# Altium PCB U_I_Meter_TOP.PcbDoc
Units mm, origin at the board's own origin, x right, y up, seen from the top; angles counter-clockwise.
Board outline 67 x 84 mm, 2 copper layers (Top Layer, Bottom Layer), stack 1.071 mm thick; 129 components, 52 nets, 303 pads, 62 vias.
Unrouted connection lines stored in the file: 2.
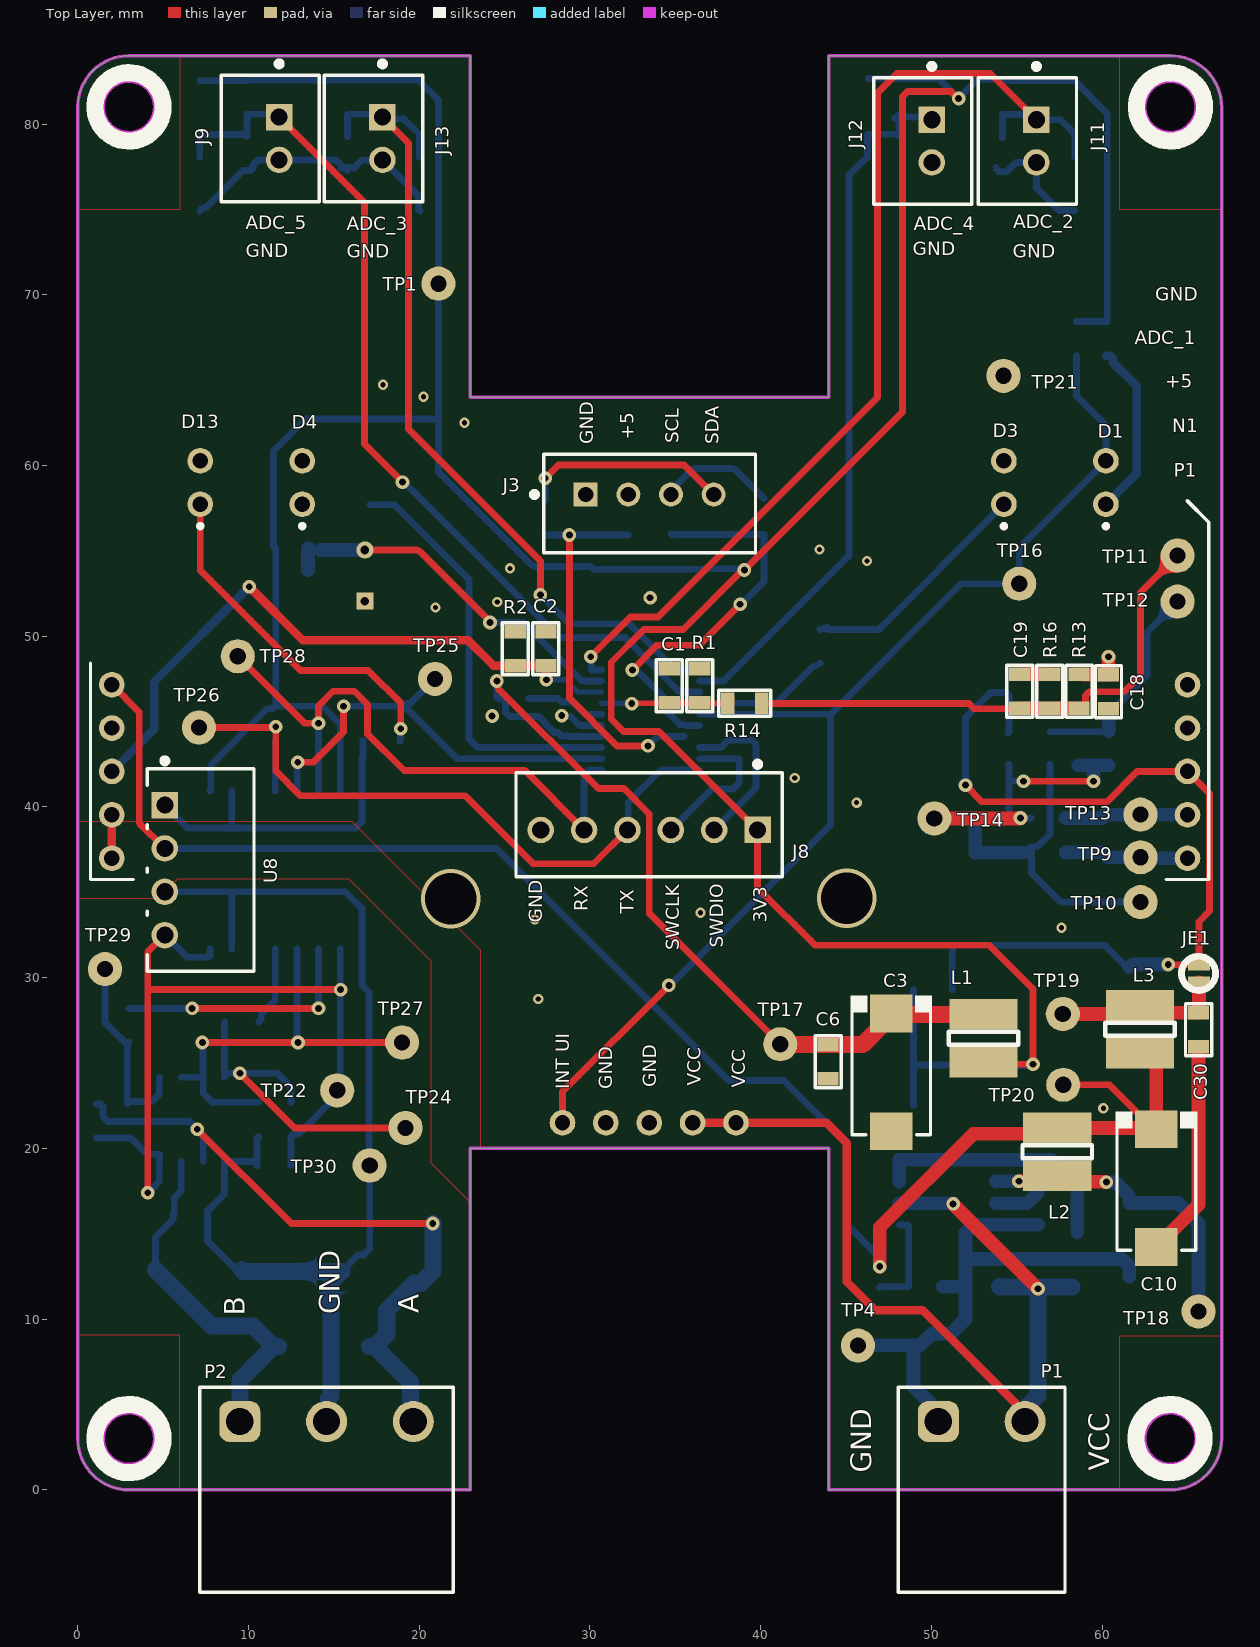
[diagram p0: Top Layer view]
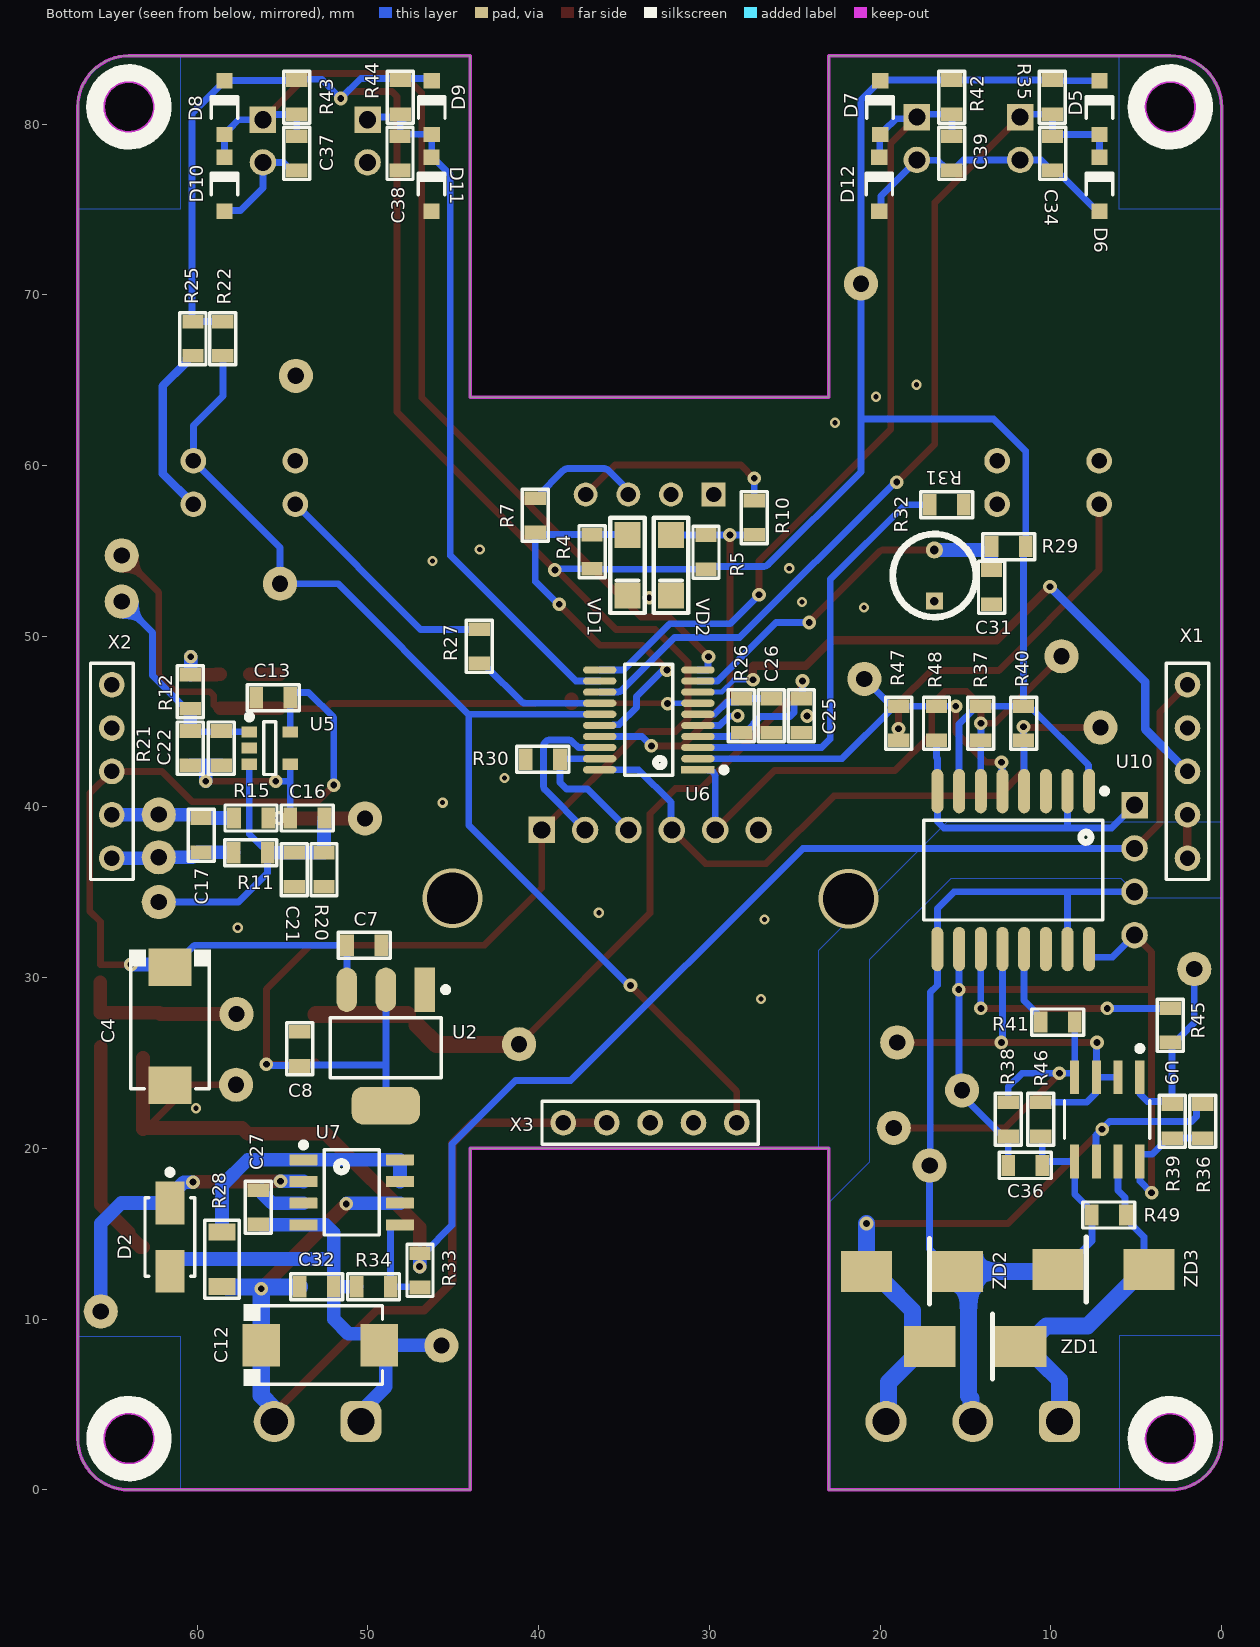
[diagram p1: Bottom Layer view, seen from below]
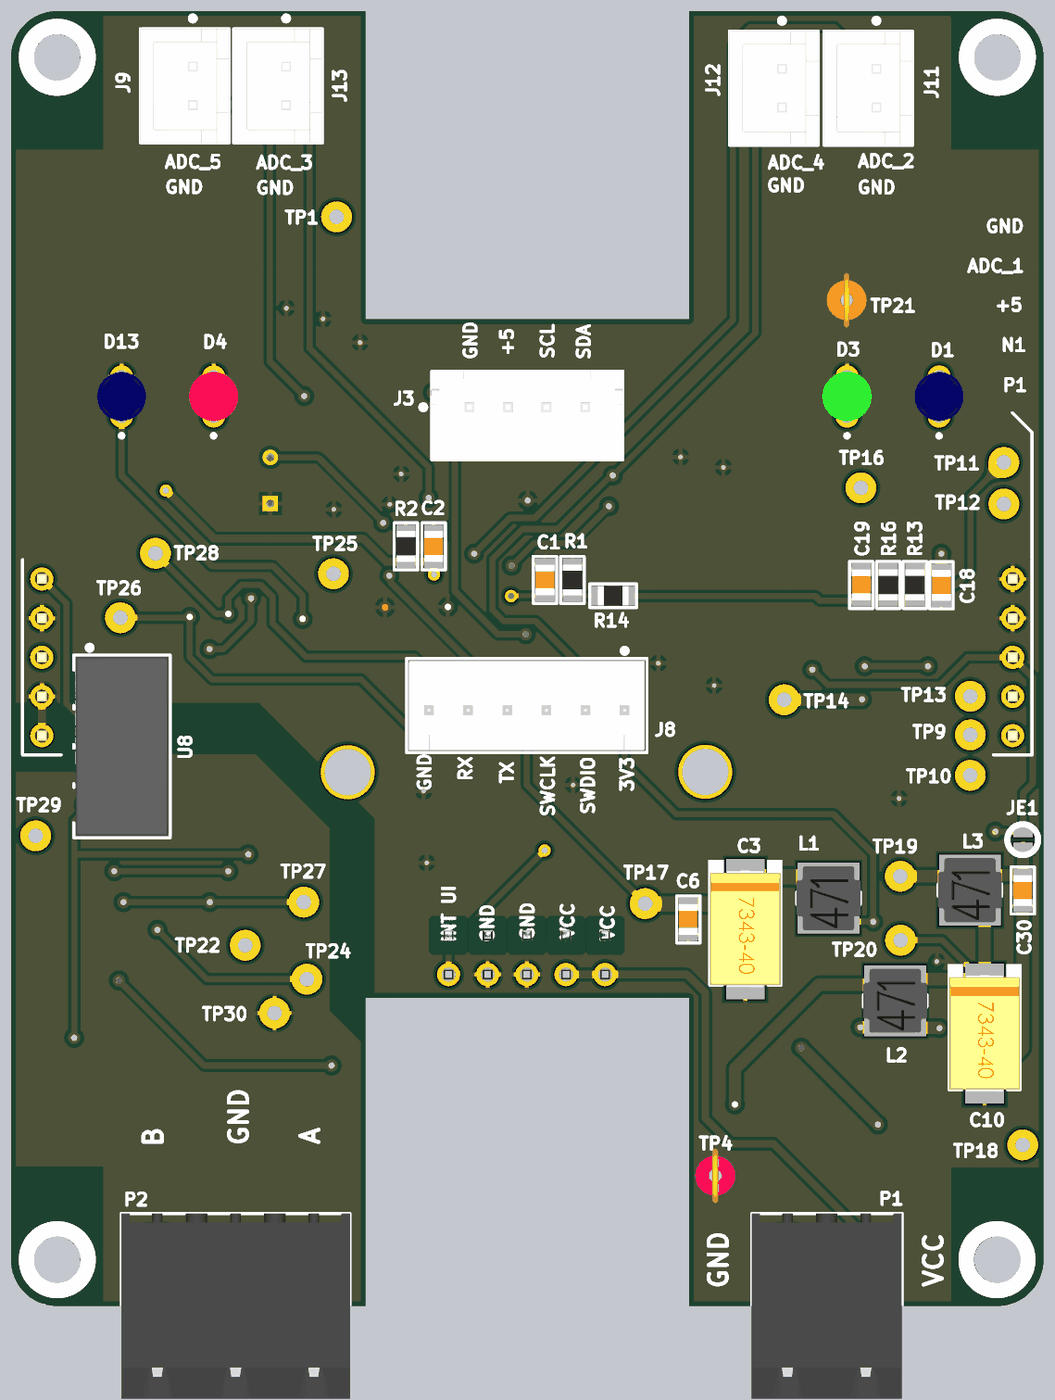
[diagram p2: 3D render of the assembled board from above, using the file's embedded part models]
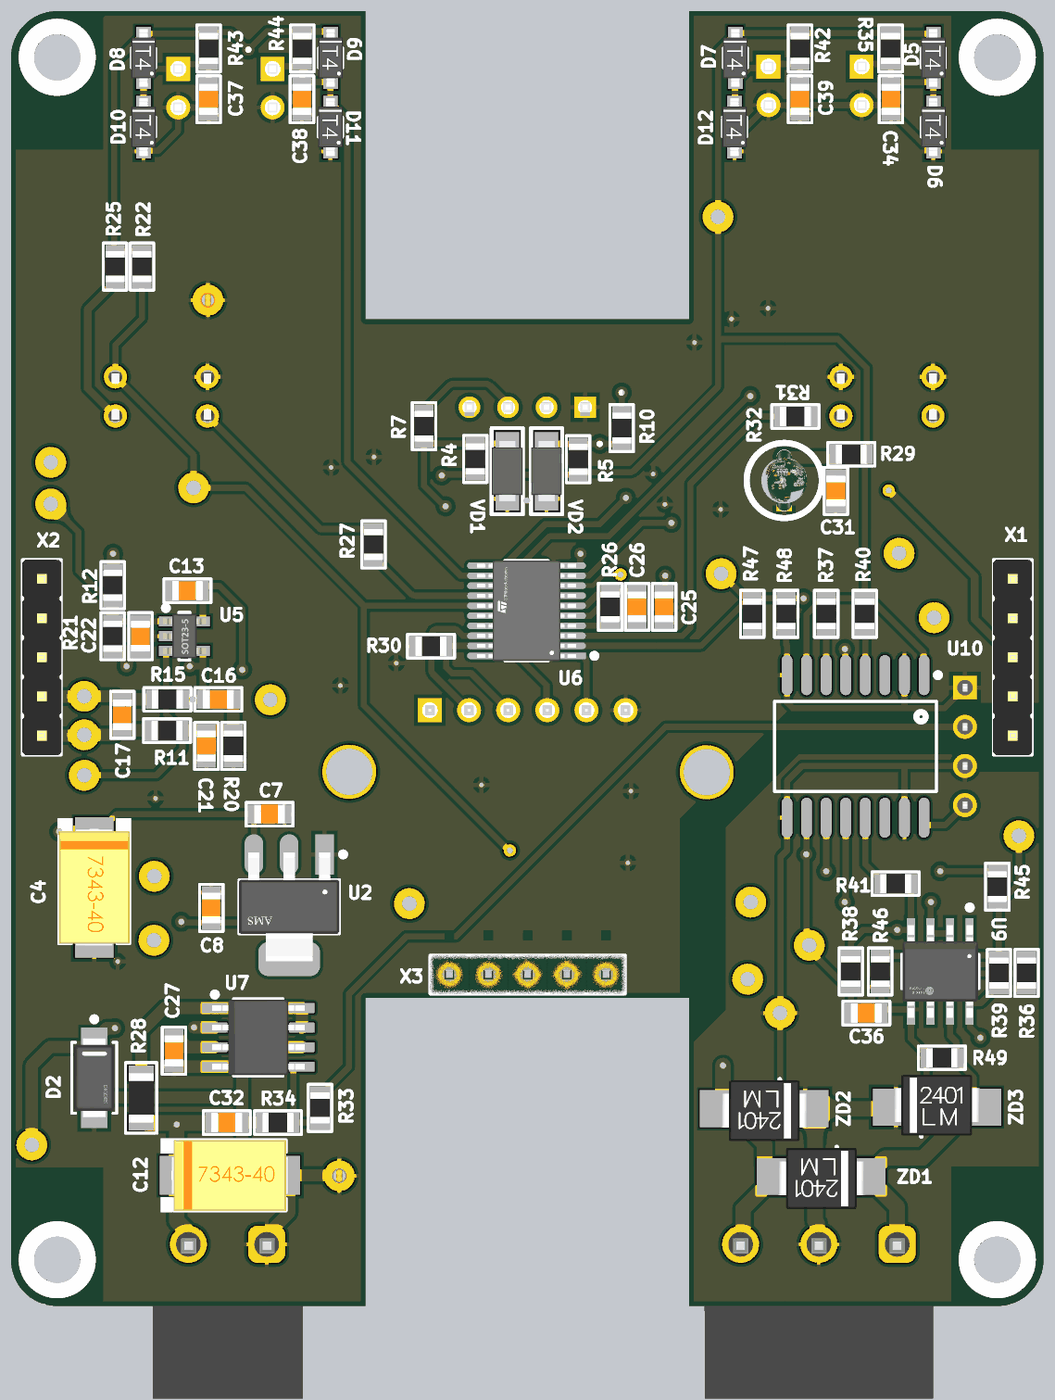
[diagram p3: 3D render of the assembled board from below, using the file's embedded part models]

## Layer stack, top to bottom
Top Solder: solder mask 0.0102, Solder Resist, Dk 3.5
Top Layer: signal copper 0.0356
Dielectric 1: dielectric 1, FR-4, Dk 4.8
Bottom Layer: signal copper 0.0356
Bottom Solder: solder mask 0.0102, Solder Resist, Dk 3.5

## Board outline
3,0 cw(c3,3) 0,3 0,81 cw(c3,81) 3,84 23,84 23,64 44,64 44,84 44.004,84 64,84 cw(c64,81) 67,81 67,3 cw(c64,3) 64,0 44,0 44,20 23,20 23,0
cut-out: 3,1.5 cw(c3,3) 1.5,3 cw(c3,3) 3,4.5 cw(c3,3) 4.5,3 cw(c3,3)
cut-out: 3,79.5 cw(c3,81) 1.5,81 cw(c3,81) 3,82.5 cw(c3,81) 4.5,81 cw(c3,81)
cut-out: 64,79.5 cw(c64,81) 62.5,81 cw(c64,81) 64,82.5 cw(c64,81) 65.5,81 cw(c64,81)
cut-out: 62.5,3 ccw(c64,3) 64,1.5 ccw(c64,3) 65.5,3 ccw(c64,3) 64,4.5 ccw(c64,3)

## Design rules (kind name [scope] priority, off if disabled: settings)
Clearance [All] p1: gap=0.2 ignorepadtopadclearanceinfootprint=FALSE except(0.254: THPad-THPad THPad-Via THPad-Fill THPad-Poly THPad-Region THPad-Text THPad-Hole Via-Via Via-Fill Via-Poly Via-Region Via-Text Via-Hole Fill-Fill Fill-Poly Fill-Region Fill-Text Fill-Hole Poly-Poly Poly-Region Poly-Text Poly-Hole Region-Region Region-Text Region-Hole Text-Text Text-Hole)
ComponentClearance [All] p1: gap=-1 collisioncheckmode=3 verticalgap=0 showdistances=FALSE
Height [All] p1: minheight=-1 maxheight=100 prefheight=12.7
PolygonConnect [All] p1: connectstyle=Relief reliefconductorwidth=0.254 reliefentries=4 polygonreliefangle="90 Angle" airgapwidth=0.254
RoutingVias [All] p1: holewidth=0.711 width=1.27 viastyle="Through Hole" minholewidth=0.711 minwidth=1.27 maxholewidth=0.711 maxwidth=1.27
SolderMaskExpansion [All] p1: expansion=0.102 istentingtop=FALSE
Width [All] p1: maxlimit=10 minlimit=0.254 preferedwidth=0.254 minimp=50.000000 maximp=50.000000 favimp=50.000000
28 further rules are at their usual default settings.

## Components (designator, comment, footprint, x,y, rotation, side; value= is the part's Value field where it differs from the comment)
C1 "1000pF" CAP-0805 34.65,47.1 r270 top
C2 "470nF" CAP-0805 27.425,49.275 r270 top
C3 "47uF_16V" CAP-TAN-D 47.65,24.45 r270 top
C4 "100uF_16V" CAP-TAN-D 61.6,27.15 r270 bottom
C6 "0.1uF" CAP-0805 43.95,25.075 r90 top
C7 "0.1uF" CAP-0805 50.225,31.9 r0 bottom
C8 "0.1uF" CAP-0805 54,25.825 r270 bottom
C10 "100uF_16V" CAP-TAN-D 63.175,17.675 r270 top
C12 "100uF_16V" CAP-TAN-D 52.8,8.475 r180 bottom locked
C13 "0.1uF" CAP-0805 55.55,46.4 r180 bottom
C16 "0.1uF" CAP-0805 53.55,39.35 r180 bottom
C17 "0.1uF" CAP-0805 59.775,38.35 r270 bottom
C18 "1000pF" CAP-0805 60.375,46.75 r90 top
C19 "1000pF" CAP-0805 55.175,46.775 r270 top
C21 "0.1uF" CAP-0805 54.325,36.325 r90 bottom
C22 "0.1uF" CAP-0805 58.6,43.45 r90 bottom
C25 "0.1uF" CAP-0805 24.625,45.35 r90 bottom
C26 "1uF" CAP-0805 26.375,45.35 r90 bottom
C27 "470pF" CAP-0805 56.425,16.55 r270 bottom
C30 "0.1uF" CAP-0805 65.65,26.95 r90 top
C31 "0.1uF" CAP-0805 13.475,52.875 r90 bottom
C32 "0.47uF" CAP-0805 53,11.9 r180 bottom
C34 "0.1uF" CAP-0805 9.9,78.275 r90 bottom
C36 "0.47uF" CAP-0805 11.5,19 r180 bottom
C37 "0.1uF" CAP-0805 54.175,78.275 r90 bottom
C38 "0.1uF" CAP-0805 48.125,78.275 r90 bottom
C39 "0.1uF" CAP-0805 15.8,78.275 r90 bottom
D1 "151031YS06000" LED_3mm_BLUE 60.225,59 r90 top
D2 "US1G" US1G_SMA 61.6,14.8 r270 bottom
D3 "151031YS06000" LED_3mm_GREEN 54.25,59 r90 top
D4 "151031YS06000" LED_3mm_RED 13.15,59 r90 top
D5 "1N4148" DIOD-SOD123-2_V 7.15,80.962 r90 bottom
D6 "1N4148" DIOD-SOD123-2_V 7.15,76.475 r90 bottom
D7 "1N4148" DIOD-SOD123-2_V 20,80.962 r90 bottom
D8 "1N4148" DIOD-SOD123-2_V 58.4,80.962 r90 bottom
D9 "1N4148" DIOD-SOD123-2_V 46.263,80.962 r90 bottom
D10 "1N4148" DIOD-SOD123-2_V 58.4,76.475 r90 bottom
D11 "1N4148" DIOD-SOD123-2_V 46.275,76.475 r90 bottom
D12 "1N4148" DIOD-SOD123-2_V 20.05,76.475 r90 bottom
D13 "LED" LED_3mm_BLUE 7.175,59 r90 top
J3 "B4B-XH-A(LF)(SN)" B4B-XH-A 33.5,57.775 r180 top
J8 "SWR25X-NRTC-S06-ST-BA" Sullins_SWR25X-NRTC-S06-ST-BA_MFG 33.47,38.95 r180 top locked
J9 "B2B-XH-A" B2B-XH-A 11.275,79.15 r270 top locked
J11 "B2B-XH-A" B2B-XH-A 55.625,79 r270 top locked
J12 "B2B-XH-A" B2B-XH-A 49.5,79 r270 top locked
J13 "B2B-XH-A" B2B-XH-A 17.325,79.15 r270 top locked
JE1 "Jumper" JE 65.65,30.25 r0 top
L1 "Coil" Coil_4.5x4.5_mm 53.05,26.453 r90 top
L2 "Coil" Coil_4.5x4.5_mm 57.375,19.8 r90 top
L3 "Coil" Coil_4.5x4.5_mm 62.225,26.975 r90 top
P1 "691701530002B" 691701530002B 52.95,0 r0 top
P2 "691701530003B" 691701530003B 14.575,0 r0 top
R1 "10K" RES-0805 36.425,47.1 r90 top
R2 "43K" RES-0805 25.625,49.275 r270 top
R4 "10K" RES-0805 36.875,54.95 r270 bottom
R5 "10K" RES-0805 30.2,54.925 r270 bottom
R7 "10E" RES-0805 40.2,57.075 r90 bottom
R10 "10E" RES-0805 27.375,56.95 r90 bottom
R11 "10K" RES-0805 56.875,37.325 r180 bottom
R12 "10K" RES-0805 60.4,46.75 r270 bottom
R13 "10K" RES-0805 58.65,46.775 r90 top
R14 "10K" RES-0805 39.075,46.075 r0 top
R15 "10K" RES-0805 56.85,39.35 r180 bottom
R16 "100K*" RES-0805 56.925,46.775 r90 top
R20 "10K" RES-0805 52.575,36.325 r90 bottom
R21 "10K" RES-0805 60.4,43.45 r90 bottom
R22 "10K" RES-0805 58.5,67.425 r270 bottom
R25 "820" RES-0805 60.25,67.425 r90 bottom
R26 "10K" RES-0805 28.125,45.35 r90 bottom
R27 "220" RES-0805 43.475,49.4 r90 bottom
R28 "0.33" RES-1206 58.55,13.5 r90 bottom
R29 "10K" RES-0805 12.475,55.25 r0 bottom
R30 "10K" RES-0805 39.75,42.8 r0 bottom
R31 "220" RES-0805 16.1,57.7 r180 bottom
R32 "NTCLE413E2103F520L" FP-NTCLE413E2103F520L-MFG 16.825,53.55 r90 bottom
R33 "3.8K" RES-0805 46.95,12.85 r270 bottom
R34 "1.2K" RES-0805 49.675,11.9 r180 bottom
R35 "10K" RES-0805 9.925,81.575 r270 bottom
R36 "10K" RES-0805 1.1,21.6 r270 bottom
R37 "10K" RES-0805 14.1,44.9 r90 bottom
R38 "10K" RES-0805 12.5,21.7 r270 bottom
R39 "10K" RES-0805 2.9,21.6 r270 bottom
R40 "10K" RES-0805 11.6,44.9 r90 bottom
R41 "100" RES-0805 9.6,27.4 r0 bottom
R42 "10K" RES-0805 15.8,81.575 r270 bottom
R43 "10K" RES-0805 54.175,81.575 r270 bottom
R44 "10K" RES-0805 48.1,81.575 r270 bottom
R45 "100" RES-0805 3,27.2 r90 bottom
R46 "10K" RES-0805 10.6,21.7 r90 bottom
R47 "220" RES-0805 18.9,44.9 r90 bottom
R48 "10K" RES-0805 16.7,44.9 r90 bottom
R49 "10K" RES-0805 6.6,16.1 r180 bottom
TP1 "Test_Point_PCB" Test_Point#1 21.125,70.65 r270 top
TP4 "Test_Point_PCB" Pin_Test_Point(Pink) 45.7,8.45 r0 top
TP9 "Test_Point_PCB" Test_Point#2 62.375,37.05 r0 top
TP10 "Test_Point_PCB" Test_Point#3 62.375,34.425 r90 top
TP11 "Test_Point_PCB" Test_Point#4 64.325,54.725 r90 top
TP12 "Test_Point_PCB" Test_Point#1 64.425,52.025 r90 top
TP13 "Test_Point_PCB" Test_Point#1 62.25,39.55 r90 top
TP14 "Test_Point_PCB" Test_Point#1 50.175,39.325 r90 top
TP16 "Test_Point_PCB" Test_Point#1 55.15,53.075 r90 top
TP17 "" Test_Point#1 41.15,26.1 r90 top
TP18 "Test_Point_PCB" Test_Point#1 65.65,10.45 r90 top
TP19 "Test_Point_PCB" Test_Point#1 57.7,27.875 r90 top
TP20 "Test_Point_PCB" Test_Point#1 57.725,23.725 r90 top
TP21 "Test_Point_PCB" Pin_Test_Point(Orange) 54.225,65.25 r0 top
TP22 "Test_Point_PCB" Test_Point#1 15.2,23.4 r90 top
TP24 "Test_Point_PCB" Test_Point#1 19.2,21.2 r90 top
TP25 "Test_Point_PCB" Test_Point#1 20.925,47.5 r90 top
TP26 "Test_Point_PCB" Test_Point#1 7.1,44.65 r90 top
TP27 "Test_Point_PCB" Test_Point#1 19,26.2 r90 top
TP28 "Test_Point_PCB" Test_Point#1 9.375,48.825 r90 top
TP29 "" Test_Point#1 1.6,30.5 r90 top
TP30 "Test_Point_PCB" Test_Point#1 17.1,19 r90 top
U2 "AMS1117-3.3" SOT-223 48.95,25.9 r0 bottom
U5 "" SOT-23-5 55.75,43.45 r180 bottom
U6 "STM32G030F6P6" FP-TSSOP20-YA-IPC_A 33.55,45.1 r0 bottom locked
U7 "MC34063" SOIC-8_M 50.95,17.425 r180 bottom
U8 "B0505S-1W" B0505S-1W 7.2,36.3 r270 top
U9 "MAX485" SOIC-8-MFG 6.7,21.7 r270 bottom
U10 "ADUM1401BRWZ" ADI-RW-16_M 12.2,36.3 r270 bottom
VD1 "SMF3.3A" SMF3.3A 34.8,54.15 r0 bottom
VD2 "SMF3.3A" SMF3.3A 32.25,54.15 r0 bottom
X1 "CONN-5-PIN" CONN-PLS-5-2.54_2 2,37 r90 bottom locked
X2 "CONN-5-PIN" CONN-PLS-5-2.54_2 65,47.16 r270 bottom locked
X3 "CONN-5-PIN" CONN-PLS-5-2.54_2 28.395,21.5 r0 bottom locked
ZD1 "P6SMB16CA" DO-214AA 12.147,8.4 r0 bottom
ZD2 "P6SMB16CA" DO-214AA 15.847,12.8 r0 bottom
ZD3 "P6SMB16CA" DO-214AA 9.2,12.9 r180 bottom

## Footprints (in the part's own frame and the unit in brackets; to place one, negate y for a bottom-side part, rotate by r counter-clockwise, add the part's x,y. Pads: shape width x height; smd on the part's side, far side on the other; paste and mask are expansions set on the pad)
691701530002B [mm] "THR - 5,08mm - PCB Horizontal Open - 02p"
  rrect50% 2.4x2.4 hole 1.6: 1(-2.54,4)
  round 2.4 hole 1.6: 2(2.54,4)
  silkscreen extent -4.88,-6 4.88,6, body extent -4.9,-6 4.86,6, height 8.6
691701530003B [mm] "THR - 5,08mm - PCB Horizontal Open - 03p"
  rrect50% 2.4x2.4 hole 1.6: 1(-5.08,4)
  round 2.4 hole 1.6: 2(0,4) 3(5.08,4)
  silkscreen extent -7.42,-6 7.42,6, body extent -7.42,-6 7.42,6, height 8.6
ADI-RW-16_M [mm] "SOIC, 16-Leads, Body 10.3x7.5mm, Pitch 1.27mm, IPC Low Density"
  oval 2.6x0.7 smd: 1(-4.625,4.445) 2(-4.625,3.175) 3(-4.625,1.905) 4(-4.625,0.635) 5(-4.625,-0.635) 6(-4.625,-1.905) 7(-4.625,-3.175) 8(-4.625,-4.445) 9(4.625,-4.445) 10(4.625,-3.175) 11(4.625,-1.905) 12(4.625,-0.635) 13(4.625,0.635) 14(4.625,1.905) 15(4.625,3.175) 16(4.625,4.445)
  silkscreen extent -4.75,-5.25 2.93,5.47, body extent -3.8,-5.25 3.8,5.25, height 2.65
B2B-XH-A [mm]
  rect 1.55x1.55 hole 1 paste-2539.97 mask+0: 1(-1.25,0.525)
  round 1.55 hole 1 paste-2539.97 mask+0: 2(1.25,0.525)
  silkscreen extent -4.5,-2.88 3.7,2.88, body extent -3.8,-2.98 3.8,2.98, height 0.25
B4B-XH-A [mm]
  rect 1.4x1.4 hole 0.9 paste-2539.97 mask+0: 1(3.75,-0.525)
  round 1.4 hole 0.9 paste-2539.97 mask+0: 2(1.25,-0.525) 3(-1.25,-0.525) 4(-3.75,-0.525)
  silkscreen extent -6.2,-2.88 6.87,2.88, body extent -6.3,-2.98 6.3,2.98, height 0.25
B0505S-1W [mm]
  rect 1.55x1.55 hole 1 paste-2539.97 mask+0: 1(-3.81,-2.1)
  round 1.55 hole 1 paste-2539.97 mask+0: 2(-1.27,-2.1) 3(1.27,-2.1) 4(3.81,-2.1)
  silkscreen extent -6.52,-3.13 5.92,3.13, body extent -5.8,-3 5.8,3, height 10.41
CAP-0805 [mm]
  rect 0.8x1.25 smd mask+0.015: 1(-1,0) 2(1,0)
  silkscreen extent -1.52,-0.76 1.52,0.76, body extent -1,-0.62 1,0.63, height 0.8
CAP-TAN-D [mm]
  rect 2.2x2.5 smd: 1(-3.45,0) 2(3.45,0)
  silkscreen extent -4.5,-2.4 3.65,2.4, body extent -3.8,-2.3 3.8,2.3, height 4
Coil_4.5x4.5_mm [mm]
  rect 1.8x4 smd: 1(-1.397,0) 2(1.397,0)
  silkscreen extent -0.38,-2.03 0.38,2.03, body extent -2.07,-2.07 2.07,2.07, height 2.8
CONN-PLS-5-2.54_2 [mm]
  round 1.5 hole 0.9: 1(0,0) 2(2.54,0) 3(5.08,0) 4(7.62,0) 5(10.16,0)
  silkscreen extent -1.25,-1.25 11.41,1.25, body extent -1.27,-1.27 11.43,1.27, height 19.54
DIOD-SOD123-2_V [mm] "SOD123, 2-Leads, Body 2.7x1.55mm, Height 1.45mm"
  rect 0.9x0.95 smd: 1(1.575,0) 2(-1.575,0)
  silkscreen extent -0.64,-0.82 0.64,0.77, body extent -1.88,-0.8 1.88,0.8, height 1.3
DO-214AA [mm]
  rect 3x2.4 smd: 1(-0.381,0) 2(4.953,0)
  silkscreen extent 1.27,-1.91 1.27,1.91, body extent -0.53,-1.85 5.07,2.1, height 2.65
FP-NTCLE413E2103F520L-MFG [mm]
  rect 1x1 hole 0.5 paste-2539.97 mask+0: 1(-1.5,0)
  round 1 hole 0.5 paste-2539.97 mask+0: 2(1.5,0)